# Altium PCB OctopusPB_r0101.PcbDoc (part 4 of 11) (continued)
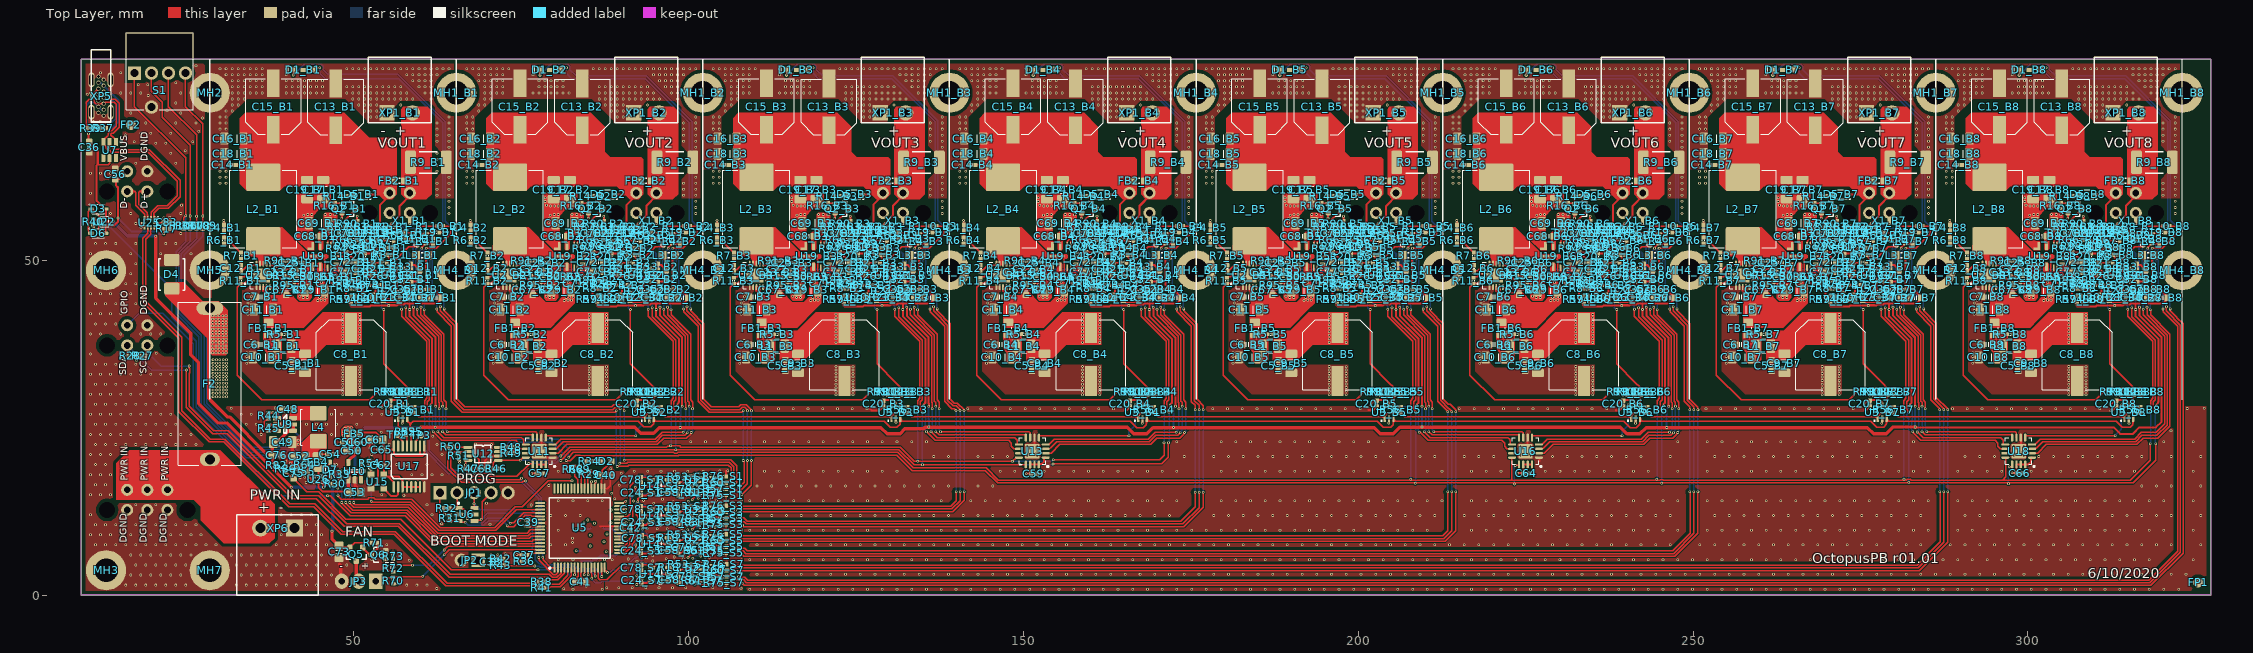
[diagram p0: Top Layer view]
## Nets (pads, with @x,y where several pads share a name; then routed paths per layer and width w, separated by ;. In a path a pad name is that pad's centre, name@x,y a point inside that pad or via, vN(x,y) a via of type N, cw(c..) or ccw(c..) an arc to the next point about the centre after c; other vN are vias at no path point) (continued)
  Top Layer w0.5: C53.1@49.165,15.365 49.165,17.185 U10.1@49.18,17.2 49.23,17.25 49.23,18.03 49.5,18.3 v1(50.1,18.3) 50.7,18.3 51.03,17.97 51.03,17.25 U10.3@51.08,17.2 ; v1(59.9,25) 59.95,25.05 v1(62.175,25.05) 91.931,25.05 92.831,24.15 94.75,24.15 95.6,25 v1@98.75,25 ; v1@98.775,25 128.721,25 129.656,24.065 131.575,24.065 132.289,24.85 135.088,24.85 135.288,25.05 165.496,25.05 166.481,24.065 168.4,24.065 169.335,25 v1@172.4,25 ; v1@172.425,25 202.371,25 203.306,24.065 205.225,24.065 206.135,24.975 206.15,24.975 206.225,25.05 239.146,25.05 240.131,24.065 242.05,24.065 242.985,25 v1@246.05,25 ; v1@246.075,25 276.021,25 276.956,24.065 278.875,24.065 279.91,25.1 v1(283.175,25.1) v1@283.25,25.025
  Bottom Layer w0.3: v1@58.825,43.1 58.825,48.439 58.827,48.441 58.827,52.18 v1@59.272,52.625 ; v1(62.175,25.05) 62.206,25.081 62.206,26.294 ; 62.2,26.3 62.2,28.028 62.206,28.034 62.206,28.156 v1(62.225,28.175) ; v1@95.65,43.1 95.65,48.439 95.652,48.441 95.652,52.18 v1@96.097,52.625 ; v1(98.75,25.025) 98.75,27.848 99.05,28.148 v1(99.05,28.175) ; v1@132.475,43.1 132.475,48.439 132.477,48.441 132.477,52.18 v1@132.922,52.625 ; 135.85,26.3 v1@135.85,28.028 ; v1(135.856,25.081) 135.856,26.294 ; v1@169.3,43.1 169.3,48.439 169.302,48.441 169.302,52.18 v1@169.747,52.625 ; v1(172.4,25.025) 172.4,27.848 172.7,28.148 v1(172.7,28.175) ; v1@206.125,43.1 206.125,48.439 206.127,48.441 206.127,52.18 v1@206.572,52.625 ; 209.5,26.3 v1@209.5,28.028 ; v1@209.506,25.081 209.506,26.294 ; v1@242.95,43.1 242.95,48.439 242.952,48.441 242.952,52.18 v1@243.397,52.625 ; v1(246.05,25.025) 246.05,27.848 246.35,28.148 v1(246.35,28.175) ; v1@279.775,43.1 279.775,48.439 279.777,48.441 279.777,52.18 v1@280.222,52.625 ; 283.15,26.3 v1@283.15,28.028 ; v1@283.156,25.081 283.156,26.294 ; v1@316.6,43.1 316.6,48.439 316.602,48.441 316.602,52.18 v1@317.047,52.625
  Bottom Layer w0.5: v1(50.1,18.3) 50.1,18.375 50.175,18.45 50.175,23.55 51.625,25 v1(59.9,25)
  other v1: 209.525,25.1 58.9,42.975 95.725,42.975 132.55,42.975 169.375,42.975 206.2,42.975 243.025,42.975 279.85,42.975 316.675,42.975
5V_BUCK: C55.1 C73.1 D7.2 FB4.2 Q5.2 R64.2 R71.1 U26.B1 U26.C2 | length 26.4
  Top Layer w0.2: Q5.2@49.375,7.05 49.375,7.1 50.1,7.825 52.595,7.825 R71.1@52.62,7.8
  Top Layer w0.3: R64.2@43.13,19.425 43.123,19.418 43.123,18.433 C55.1@43.115,18.425 43.225,18.315 43.225,17.7 43.875,17.05 ; R64.2@43.265,19.25 44.275,19.25 FB4.2@44.575,18.95 ; v1@43.65,16.95 43.75,17.05 43.875,17.05 ; U26.C2@44.2,17.05 43.875,17.05 ; U26.B1@44.7,17.55 44.7,18.825 FB4.2@44.575,18.95 ; D7.2@46.45,19.825 46.45,19.675 45.75,18.975 44.6,18.975 FB4.2@44.575,18.95
  Top Layer w0.5: v1(46.725,9.525) 46.725,8.375 47.7,7.4 C73.1@47.8,7.4 48.125,7.075 49.025,7.075 49.05,7.05 Q5.2@49.375,7.05
  Bottom Layer w0.5: v1(43.65,16.875) 45.775,16.875 46.85,15.8 46.85,9.65 v1(46.725,9.525)
15-26VIN: F2.1 XP6.2 XP7.1 XP7.2 XP7.3
15-26VIN_F: C5_B1.1 C5_B2.1 C5_B3.1 C5_B4.1 C5_B5.1 C5_B6.1 C5_B7.1 C5_B8.1 C8_B1.1 C8_B2.1 C8_B3.1 C8_B4.1 C8_B5.1 C8_B6.1 C8_B7.1 C8_B8.1 C9_B1.1 C9_B2.1 C9_B3.1 C9_B4.1 C9_B5.1 C9_B6.1 C9_B7.1 C9_B8.1 C49.1 C76.1 D4.1 F2.2 L1_B1.1 L1_B2.1 L1_B3.1 L1_B4.1 L1_B5.1 L1_B6.1 L1_B7.1 L1_B8.1 R5_B1.1 R5_B2.1 R5_B3.1 R5_B4.1 R5_B5.1 R5_B6.1 R5_B7.1 R5_B8.1 R82.1 U9.4 U9.5 | length 45.7
  Top Layer w0.2: 40.05,38.425 40.05,38.97 R5_B1.1@40.055,38.975 40.925,38.975 ; 76.875,38.425 76.875,38.97 R5_B2.1@76.88,38.975 77.75,38.975 ; 113.7,38.425 113.7,38.97 R5_B3.1@113.705,38.975 114.575,38.975 ; 150.525,38.425 150.525,38.97 R5_B4.1@150.53,38.975 151.4,38.975 ; 187.35,38.425 187.35,38.97 R5_B5.1@187.355,38.975 188.225,38.975 ; 224.175,38.425 224.175,38.97 R5_B6.1@224.18,38.975 225.05,38.975 ; 261,38.425 261,38.97 R5_B7.1@261.005,38.975 261.875,38.975 ; 297.825,38.425 297.825,38.97 R5_B8.1@297.83,38.975 298.7,38.975
  Top Layer w0.5: F2.2@28.475,42.825 F2.2@28.5,42.85 28.3,42.65 28.3,29.381 28.706,28.975 31.09,26.59 31.435,26.59 36.925,21.1 C76.1@37.5,21.1 ; R82.1@38.178,19.672 38.207,19.7 38.207,19.75 37.9,20.056 37.9,20.675 C76.1@37.7,20.875 37.825,21 37.825,22.7 C49.1@37.95,22.825 37.95,22.85 38.225,23.125 38.875,23.125 40.275,24.525 U9.4@40.925,24.525 U9.5@40.925,25.475
  other v1: 28.9,36.2 29.4,36.2 29.9,36.2 30.4,36.2 30.9,36.2 28.9,36.7 29.4,36.7 29.9,36.7 30.4,36.7 30.9,36.7 28.9,37.2 29.4,37.2 29.9,37.2 30.4,37.2 30.9,37.2 28.9,37.7 29.4,37.7 29.9,37.7 30.4,37.7 30.9,37.7 48.35,37.725 50.9,37.725 85.175,37.725 87.725,37.725 122,37.725 124.55,37.725 158.825,37.725 161.375,37.725 195.65,37.725 198.2,37.725 232.475,37.725 235.025,37.725 269.3,37.725 271.85,37.725 306.125,37.725 308.675,37.725 28.9,38.2 29.4,38.2 29.9,38.2 30.4,38.2 30.9,38.2 48.35,38.25 50.9,38.25 85.175,38.25 87.725,38.25 122,38.25 124.55,38.25 158.825,38.25 161.375,38.25 195.65,38.25 198.2,38.25 232.475,38.25 235.025,38.25 269.3,38.25 271.85,38.25 306.125,38.25 308.675,38.25 28.9,38.7 29.4,38.7 29.9,38.7 30.4,38.7 30.9,38.7 48.35,38.775 85.175,38.775 122,38.775 158.825,38.775 195.65,38.775 232.475,38.775 269.3,38.775 306.125,38.775 50.9,38.8 87.725,38.8 124.55,38.8 161.375,38.8 198.2,38.8 235.025,38.8 271.85,38.8 308.675,38.8 28.9,39.2 29.4,39.2 29.9,39.2 30.4,39.2 30.9,39.2 48.35,39.3 85.175,39.3 122,39.3 158.825,39.3 195.65,39.3 232.475,39.3 269.3,39.3 306.125,39.3 50.9,39.325 87.725,39.325 124.55,39.325 161.375,39.325 198.2,39.325 235.025,39.325 271.85,39.325 308.675,39.325 28.9,39.7 29.4,39.7 29.9,39.7 30.4,39.7 30.9,39.7 48.35,39.825 85.175,39.825 122,39.825 158.825,39.825 195.65,39.825 232.475,39.825 269.3,39.825 306.125,39.825 50.9,39.85 87.725,39.85 124.55,39.85 161.375,39.85 198.2,39.85 235.025,39.85 271.85,39.85 308.675,39.85 28.9,40.2 29.4,40.2 29.9,40.2 30.4,40.2 30.9,40.2 48.35,40.35 85.175,40.35 122,40.35 158.825,40.35 195.65,40.35 232.475,40.35 269.3,40.35 306.125,40.35 50.9,40.375 87.725,40.375 124.55,40.375 161.375,40.375 198.2,40.375 235.025,40.375 271.85,40.375 308.675,40.375 28.9,40.7 29.4,40.7 29.9,40.7 30.4,40.7 30.9,40.7 48.35,40.875 50.9,40.875 85.175,40.875 87.725,40.875 122,40.875 124.55,40.875 158.825,40.875 161.375,40.875 195.65,40.875 198.2,40.875 232.475,40.875 235.025,40.875 269.3,40.875 271.85,40.875 306.125,40.875 308.675,40.875 28.9,41.2 29.4,41.2 29.9,41.2 30.4,41.2 30.9,41.2 48.35,41.4 50.9,41.4 85.175,41.4 87.725,41.4 122,41.4 124.55,41.4 158.825,41.4 161.375,41.4 195.65,41.4 198.2,41.4 232.475,41.4 235.025,41.4 269.3,41.4 271.85,41.4 306.125,41.4 308.675,41.4 28.9,41.7 29.4,41.7 29.9,41.7 30.4,41.7 30.9,41.7 50.9,41.9 87.725,41.9 124.55,41.9 161.375,41.9 198.2,41.9 235.025,41.9 271.85,41.9 308.675,41.9 48.35,41.925 85.175,41.925 122,41.925 158.825,41.925 195.65,41.925 232.475,41.925 269.3,41.925 306.125,41.925
AGND: C1.2 C24_S1.1 C24_S2.1 C24_S3.1 C24_S4.1 C24_S5.1 C24_S6.1 C24_S7.1 C24_S8.1 C43.2 C44.2 C45.2 C46.2 C47.2 C78_S1.2 C78_S2.2 C78_S3.2 C78_S4.2 C78_S5.2 C78_S6.2 C78_S7.2 C78_S8.2 C79_S1.2 C79_S2.2 C79_S3.2 C79_S4.2 C79_S5.2 C79_S6.2 C79_S7.2 C79_S8.2 R75_S1.1 R75_S2.1 R75_S3.1 R75_S4.1 R75_S5.1 R75_S6.1 R75_S7.1 R75_S8.1 R76_S1.1 R76_S2.1 R76_S3.1 R76_S4.1 R76_S5.1 R76_S6.1 R76_S7.1 R76_S8.1 U5.20 U5.21 U8.3 U14_S1.2 U14_S2.2 U14_S3.2 U14_S4.2 U14_S5.2 U14_S6.2 U14_S7.2 U14_S8.2 U21_S1.2 U21_S2.2 U21_S3.2 U21_S4.2 U21_S5.2 U21_S6.2 U21_S7.2 U21_S8.2 X3.1 | length 55.4
  Top Layer w0.3: U5.20@89.616,7.759 90.216,7.759 90.35,7.893 90.35,8.125 90.216,8.259 U5.21@89.616,8.259 ; C78_S3.2@92.888,12.35 92.888,11.851 ; C78_S1.2@92.888,16.745 92.888,16.246 ; C24_S3.1@92.9,11.34 92.888,11.353 92.888,11.851 ; C24_S1.1@92.9,15.735 92.888,15.748 92.888,16.246 ; C24_S5.1@92.95,7.065 92.937,7.077 92.937,7.576 93.161,7.8 v1(96.075,7.8) 96.31,7.565 U14_S5.2@97.025,7.565 ; C78_S7.2@92.967,3.66 92.967,3.161 ; C24_S7.1@92.98,2.65 92.967,2.662 92.967,3.161 ; 95.725,10.325 95.725,10.375 95.675,10.425 95.675,11.84 ; U14_S3.2@96.975,11.84 95.675,11.84 ; U14_S1.2@96.975,16.235 92.899,16.235 92.888,16.246 ; U14_S7.2@97.055,3.15 96.983,3.078 96.055,3.078 95.777,2.8 95.45,3.127 95.45,3.15 94.762,3.15 94.751,3.161 92.967,3.161 ; v1(102.175,18.475) 102.175,18.448 102.619,18.004 102.619,17.385 103.044,16.96 103.513,16.96 U21_S1.2@103.538,16.935 ; U21_S3.2@103.522,12.525 U21_S3.2@103.538,12.54 ; R75_S3.1@105.605,10.54 R75_S3.1@105.655,10.49 ; R76_S3.1@105.605,13.315 R76_S3.1@105.618,13.328 ; R76_S1.1@105.605,17.71 105.605,18.53 v1@105.625,18.55 ; R75_S5.1@105.655,6.265 R75_S5.1@105.705,6.215 ; R76_S5.1@105.655,9.04 R76_S5.1@105.667,9.052 ; R75_S7.1@105.685,1.85 R75_S7.1@105.735,1.8 ; R76_S7.1@105.685,4.625 R76_S7.1@105.697,4.637 ; 92.888,11.851 92.899,11.84 95.675,11.84
  Bottom Layer w0.2: 102.525,9.9 102.525,10.671 102.99,11.135 103.063,11.135 103.238,11.31 U21_S4.2@103.563,11.31 U21_S4.2@103.488,11.235
  Bottom Layer w0.3: 89.275,7.25 89.335,7.25 89.95,7.865 C47.2@89.95,7.885 90.055,7.99 90.657,7.99 90.917,8.25 91.215,8.25 C44.2@91.225,8.26 ; C78_S2.2@92.835,15.913 92.835,16.423 ; C24_S2.1@92.848,16.923 92.835,16.91 92.835,16.423 ; C78_S4.2@92.907,11.5 92.907,11.999 ; C24_S4.1@92.92,12.51 92.907,12.498 92.907,11.999 ; C78_S6.2@92.937,7.265 92.937,7.764 ; C24_S6.1@92.95,8.275 92.937,8.262 92.937,7.764 ; C78_S8.2@92.982,2.825 92.982,3.324 ; C24_S8.1@92.995,3.835 92.982,3.822 92.982,3.324 ; 95.637,13.28 95.625,13.269 95.625,12.01 ; 96.12,3.247 95.75,2.877 95.75,2.8 95.226,3.324 92.982,3.324 ; 96.145,3.335 U14_S8.2@97.07,3.335 ; U14_S2.2@96.923,16.423 92.835,16.423 ; U14_S4.2@96.995,12.01 95.625,12.01 ; U14_S6.2@97.025,7.775 96.1,7.775 v1(96.075,7.8) 92.974,7.8 92.937,7.764 ; 102.7,6.725 103.025,7.05 103.567,7.05 U21_S6.2@103.592,7.075 ; R76_S2.1@105.553,14.948 R76_S2.1@105.565,14.935 ; R75_S2.1@105.553,17.723 R75_S2.1@105.603,17.773 ; R76_S4.1@105.625,10.535 R76_S4.1@105.638,10.523 ; R75_S4.1@105.625,13.31 R75_S4.1@105.675,13.36 ; R76_S6.1@105.655,6.3 R76_S6.1@105.667,6.287 ; R75_S6.1@105.655,9.075 R75_S6.1@105.705,9.125 ; R76_S8.1@105.7,1.86 R76_S8.1@105.712,1.847 ; R75_S8.1@105.7,4.635 R75_S8.1@105.75,4.685 ; 92.907,11.999 92.919,12.01 95.625,12.01
  other v1: 107.825,1 87.775,1.075 89.575,1.1 91.575,1.1 93.575,1.1 95.575,1.1 97.575,1.1 99.575,1.1 103.575,1.1 105.575,1.1 95.75,2.75 107.925,3.15 92.275,5.025 94.65,5.075 107.9,5.225 87.425,5.275 88.575,5.275 91,5.375 96.65,5.4 105.675,5.475 99.2,5.5 93.7,5.55 103.1,5.625 97.825,5.675 94.625,5.85 87.675,6.45 85.325,7.325 87.35,7.95 90.279,8.025 85.325,8.925 87.8,9.125 107.85,9.7 98.975,9.875 93.8,9.9 95.3,9.9 96.8,9.9 102.83,9.925 85.925,10.7 84.375,10.75 88.4,10.8 84.925,11.2 93.555,11.551 88.425,12.7 94.775,13.7 102.95,13.775 97.675,13.925 91.75,14.05 104.15,14.1 105.625,14.1 93.25,14.125 107.875,14.2 96.1,14.325 88.95,14.375 103.05,14.375 88.5,15.2 95.9,16.325 89.625,16.4 107.775,17.225 90.625,17.65 91.875,18.475 93.875,18.475 95.875,18.475 97.875,18.475 99.875,18.475 104.625,18.525 105.825,18.55
BOOT_B1: C12_B1.2 U2_B1.13 | length 2.9
  Top Layer w0.2: C12_B1.2@33.125,48.36 33.125,48.38 33.335,48.59 33.503,48.59 34.18,49.267 35.437,49.267 35.474,49.304 U2_B1.13@35.474,49.477
BOOT_B2: C12_B2.2 U2_B2.13 | length 2.9
  Top Layer w0.2: C12_B2.2@69.95,48.36 69.95,48.38 70.16,48.59 70.328,48.59 71.005,49.267 72.262,49.267 72.299,49.304 U2_B2.13@72.299,49.477
BOOT_B3: C12_B3.2 U2_B3.13 | length 2.9
  Top Layer w0.2: C12_B3.2@106.775,48.36 106.775,48.38 106.985,48.59 107.153,48.59 107.83,49.267 109.087,49.267 109.124,49.304 U2_B3.13@109.124,49.477
BOOT_B4: C12_B4.2 U2_B4.13 | length 2.9
  Top Layer w0.2: C12_B4.2@143.6,48.36 143.6,48.38 143.81,48.59 143.978,48.59 144.655,49.267 145.912,49.267 145.949,49.304 U2_B4.13@145.949,49.477
BOOT_B5: C12_B5.2 U2_B5.13 | length 2.9
  Top Layer w0.2: C12_B5.2@180.425,48.36 180.425,48.38 180.635,48.59 180.803,48.59 181.48,49.267 182.737,49.267 182.774,49.304 U2_B5.13@182.774,49.477
BOOT_B6: C12_B6.2 U2_B6.13 | length 2.9
  Top Layer w0.2: C12_B6.2@217.25,48.36 217.31,48.42 217.86,48.42 218.707,49.267 219.562,49.267 219.599,49.304 U2_B6.13@219.599,49.477
BOOT_B7: C12_B7.2 U2_B7.13 | length 2.9
  Top Layer w0.2: C12_B7.2@254.075,48.36 254.075,48.38 254.285,48.59 254.453,48.59 255.13,49.267 256.387,49.267 256.424,49.304 U2_B7.13@256.424,49.477
BOOT_B8: C12_B8.2 U2_B8.13 | length 2.9
  Top Layer w0.2: C12_B8.2@290.9,48.36 290.9,48.38 291.11,48.59 291.278,48.59 291.955,49.267 293.212,49.267 293.249,49.304 U2_B8.13@293.249,49.477
BUCK_CLK_B1: R10_B1.1 R56_B1.2 R102_B1.1 U3_B1.4 | length 3.7
  Top Layer w0.2: R10_B1.1@57.1,29.87 R102_B1.1@58.05,29.87 58.001,29.821 58.001,28.293 U3_B1.4@57.952,28.244 58.891,28.244 R56_B1.2@59.025,28.11
BUCK_CLK_B2: R10_B2.1 R56_B2.2 R102_B2.1 U3_B2.4 | length 3.8
  Top Layer w0.2: R10_B2.1@93.925,29.87 R102_B2.1@94.875,29.87 94.777,29.772 U3_B2.4@94.777,28.244 94.777,28.185 94.852,28.11 R56_B2.2@95.85,28.11
BUCK_CLK_B3: R10_B3.1 R56_B3.2 R102_B3.1 U3_B3.4 | length 3.5
  Top Layer w0.2: R10_B3.1@130.75,29.87 R102_B3.1@131.7,29.87 ; U3_B3.4@131.627,28.177 R56_B3.2@132.608,28.177 ; U3_B3.4@131.627,28.269 R102_B3.1@131.627,29.797
BUCK_CLK_B4: R10_B4.1 R56_B4.2 R102_B4.1 U3_B4.4 | length 3.5
  Top Layer w0.2: R10_B4.1@167.575,29.87 R102_B4.1@168.525,29.87 ; U3_B4.4@168.452,28.177 R56_B4.2@169.433,28.177 ; U3_B4.4@168.452,28.269 R102_B4.1@168.452,29.797
BUCK_CLK_B5: R10_B5.1 R56_B5.2 R102_B5.1 U3_B5.4 | length 3.5
  Top Layer w0.2: R10_B5.1@204.4,29.87 R102_B5.1@205.35,29.87 ; U3_B5.4@205.277,28.177 R56_B5.2@206.258,28.177 ; U3_B5.4@205.277,28.269 R102_B5.1@205.277,29.797
BUCK_CLK_B6: R10_B6.1 R56_B6.2 R102_B6.1 U3_B6.4 | length 3.5
  Top Layer w0.2: R10_B6.1@241.225,29.87 R102_B6.1@242.175,29.87 ; U3_B6.4@242.102,28.177 R56_B6.2@243.083,28.177 ; U3_B6.4@242.102,28.269 R102_B6.1@242.102,29.797
BUCK_CLK_B7: R10_B7.1 R56_B7.2 R102_B7.1 U3_B7.4 | length 3.8
  Top Layer w0.2: R10_B7.1@278.05,29.87 R102_B7.1@279,29.87 ; U3_B7.4@278.927,28.177 R56_B7.2@279.908,28.177 ; U3_B7.4@278.927,28.269 R102_B7.1@278.927,29.797
  Top Layer w0.3: U3_B7.4@278.927,28.177 278.902,28.202 U3_B7.4@278.902,28.244 U3_B7.4@278.927,28.269 ; R102_B7.1@278.927,29.797 R102_B7.1@279,29.87 ; R56_B7.2@279.908,28.177 R56_B7.2@279.975,28.11
BUCK_CLK_B8: R10_B8.1 R56_B8.2 R102_B8.1 U3_B8.4 | length 3.8
  Top Layer w0.2: R10_B8.1@314.875,29.87 R102_B8.1@315.825,29.87 315.776,29.821 315.776,28.293 U3_B8.4@315.727,28.244 315.727,28.185 315.802,28.11 R56_B8.2@316.8,28.11
BUCK_EN1: Q1_B1.1 R4_B1.1 U11.8 | length 45
  Top Layer w0.2: v1(60.025,42.975) 60.025,41.836 63.05,38.811 63.05,28.959 63.25,28.759 v1(63.25,28.2) ; v1(60.125,51.8) 60.125,51.909 60.791,52.575 Q1_B1.1@60.8,52.575 ; Q1_B1.1@60.902,52.473 R4_B1.1@61.802,52.473 ; v1(63.25,24.4) 63.25,24.393 63.743,23.9 76.631,23.9 76.7,23.831 U11.8@76.7,23.5
  Bottom Layer w0.2: v1(60.025,42.975) 60.025,43.191 59.941,43.275 59.941,43.969 59.677,44.232 59.677,51.298 60.125,51.746 v1(60.125,51.8) ; v1(63.25,24.4) v1(63.25,28.2)
BUCK_EN2: Q1_B2.1 R4_B2.1 U11.3 | length 52.4
  Top Layer w0.2: U11.3@79.675,21.825 80.141,21.825 80.241,21.925 80.325,21.925 81.3,22.9 95.16,22.9 96.085,23.825 99.382,23.825 99.78,24.223 v1(99.78,24.251) ; v1(96.85,42.975) 96.85,41.836 99.875,38.811 99.875,28.959 100.075,28.759 v1(100.075,28.2) ; v1(96.95,51.8) 96.95,51.909 97.616,52.575 Q1_B2.1@97.625,52.575 ; Q1_B2.1@97.728,52.473 R4_B2.1@98.628,52.473
  Bottom Layer w0.2: v1(96.85,42.975) 96.85,43.191 96.766,43.275 96.766,43.969 96.502,44.232 96.502,51.298 96.95,51.746 v1(96.95,51.8) ; v1(99.78,24.251) 99.78,24.305 99.9,24.425 99.9,24.482 100.075,24.657 v1(100.075,28.2)
BUCK_EN3: Q1_B3.1 R4_B3.1 U13.8 | length 45.5
  Top Layer w0.2: 133.675,42.075 v1(133.675,42.975) 133.675,41.836 136.7,38.811 136.7,28.959 136.9,28.759 v1(136.9,28.2) ; v1(133.775,51.8) 133.775,51.909 134.441,52.575 Q1_B3.1@134.45,52.575 ; Q1_B3.1@134.553,52.473 R4_B3.1@135.453,52.473 ; v1@136.9,24.393 137.393,23.9 U13.8@150.281,23.9
  Bottom Layer w0.2: v1(133.675,42.975) 133.675,43.191 133.591,43.275 133.591,43.969 133.327,44.232 133.327,51.298 133.775,51.746 v1(133.775,51.8) ; v1(136.9,24.4) v1(136.9,28.2)
BUCK_EN4: Q1_B4.1 R4_B4.1 U13.3 | length 52.7
  Top Layer w0.2: U13.3@153.791,21.825 U13.3@153.891,21.925 ; 153.975,21.925 154.95,22.9 168.81,22.9 169.735,23.825 173.032,23.825 173.43,24.223 v1(173.43,24.251) ; 170.5,42.075 v1(170.5,42.975) 170.5,41.836 173.525,38.811 173.525,28.959 173.725,28.759 v1(173.725,28.2) ; v1(170.6,51.8) 170.6,51.909 171.266,52.575 Q1_B4.1@171.275,52.575 ; Q1_B4.1@171.378,52.473 R4_B4.1@172.278,52.473
  Bottom Layer w0.2: v1(170.5,42.975) 170.5,43.191 170.416,43.275 170.416,43.969 170.152,44.232 170.152,51.298 170.6,51.746 v1(170.6,51.8) ; v1@173.43,24.305 173.55,24.425 ; 173.55,24.482 173.725,24.657 v1(173.725,28.2)
BUCK_EN5: Q1_B5.1 R4_B5.1 U16.8 | length 45.5
  Top Layer w0.2: 207.325,42.075 v1(207.325,42.975) 207.325,41.836 210.35,38.811 210.35,28.959 210.55,28.759 v1(210.55,28.2) ; v1(207.425,51.8) 207.425,51.909 208.091,52.575 Q1_B5.1@208.1,52.575 ; Q1_B5.1@208.203,52.473 R4_B5.1@209.103,52.473 ; v1@210.55,24.393 211.043,23.9 U16.8@223.931,23.9
  Bottom Layer w0.2: v1(207.325,42.975) 207.325,43.191 207.241,43.275 207.241,43.969 206.977,44.232 206.977,51.298 207.425,51.746 v1(207.425,51.8) ; v1(210.55,24.4) v1(210.55,28.2)
BUCK_EN6: Q1_B6.1 R4_B6.1 U16.3 | length 52.7
  Top Layer w0.2: U16.3@227.441,21.825 U16.3@227.541,21.925 ; 227.625,21.925 228.6,22.9 242.46,22.9 243.385,23.825 246.682,23.825 247.08,24.223 v1(247.08,24.251) ; 244.15,42.075 v1(244.15,42.975) 244.15,41.836 247.175,38.811 247.175,28.959 247.375,28.759 v1(247.375,28.2) ; v1(244.25,51.8) 244.25,51.909 244.916,52.575 Q1_B6.1@244.925,52.575 ; Q1_B6.1@245.028,52.473 R4_B6.1@245.928,52.473
  Bottom Layer w0.2: v1(244.15,42.975) 244.15,43.191 244.066,43.275 244.066,43.969 243.802,44.232 243.802,51.298 244.25,51.746 v1(244.25,51.8) ; v1@247.08,24.305 247.2,24.425 ; 247.2,24.482 247.375,24.657 v1(247.375,28.2)
BUCK_EN7: Q1_B7.1 R4_B7.1 U18.8 | length 45.5
  Top Layer w0.2: 280.975,42.075 v1(280.975,42.975) 280.975,41.836 284,38.811 284,28.959 284.2,28.759 v1(284.2,28.2) ; v1(281.075,51.8) 281.075,51.909 281.741,52.575 Q1_B7.1@281.75,52.575 ; Q1_B7.1@281.853,52.473 R4_B7.1@282.753,52.473 ; v1@284.2,24.393 284.693,23.9 U18.8@297.581,23.9
  Bottom Layer w0.2: v1(280.975,42.975) 280.975,43.191 280.891,43.275 280.891,43.969 280.627,44.232 280.627,51.298 281.075,51.746 v1(281.075,51.8) ; v1(284.2,24.4) v1(284.2,28.2)
BUCK_EN8: Q1_B8.1 R4_B8.1 U18.3 | length 51.1
  Top Layer w0.2: U18.3@301.091,21.825 U18.3@301.191,21.925 ; 301.275,21.925 302.25,22.9 316.11,22.9 317.035,23.825 319.269,23.825 320.825,25.382 320.825,28.959 320.825,29.125 320.825,38.811 317.8,41.836 v1(317.8,42.975) ; v1(317.9,51.8) 317.9,51.909 318.566,52.575 Q1_B8.1@318.575,52.575 ; Q1_B8.1@318.678,52.473 R4_B8.1@319.578,52.473
  Bottom Layer w0.2: v1(317.8,42.975) 317.8,43.191 317.716,43.275 317.716,43.969 317.452,44.232 317.452,51.298 317.9,51.746 v1(317.9,51.8)
BUCK_EN_B1_P: C70_B1.2 Q2_B1.3 R13_B1.1 R62_B1.2 R87_B1.1 R110_B1.2 U19_B1.7 | length 23.9
  Top Layer w0.2: U19_B1.7@46.075,52.275 46.1,52.3 46.1,52.844 46.678,53.422 46.675,53.425 v1@48.45,53.425 ; v1@48.525,53.5 48.705,53.68 R13_B1.1@48.705,54.05 ; C70_B1.2@49.685,54.025 49.672,54.037 48.717,54.037 R13_B1.1@48.705,54.05 ; Q2_B1.3@50.375,57.7 50.366,57.7 50.121,57.456 50.121,57.446 49.475,56.8 48.695,56.02 R87_B1.1@48.695,55 48.7,54.995 48.7,54.055 R13_B1.1@48.705,54.05 ; v1(57.088,54.388) 57.142,54.388 57.189,54.34 57.365,54.34 R62_B1.2@57.55,54.155 ; R62_B1.2@57.577,54.128 58.803,54.128 59.775,55.1 R110_B1.2@62.445,55.1
  Bottom Layer w0.2: v1(48.6,53.425) 48.725,53.425 49.675,54.375 57.075,54.375 v1(57.088,54.388)
BUCK_EN_B2_P: C70_B2.2 Q2_B2.3 R13_B2.1 R62_B2.2 R87_B2.1 R110_B2.2 U19_B2.7 | length 23.9
  Top Layer w0.2: U19_B2.7@82.9,52.275 82.925,52.3 82.925,52.844 83.503,53.422 83.5,53.425 v1@85.275,53.425 ; v1@85.35,53.5 85.53,53.68 R13_B2.1@85.53,54.05 ; C70_B2.2@86.51,54.025 86.497,54.037 85.542,54.037 R13_B2.1@85.53,54.05 ; Q2_B2.3@87.2,57.7 87.191,57.7 86.946,57.456 86.946,57.446 86.3,56.8 85.52,56.02 R87_B2.1@85.52,55 85.525,54.995 85.525,54.055 R13_B2.1@85.53,54.05 ; v1(93.913,54.388) 93.967,54.388 94.014,54.34 94.19,54.34 R62_B2.2@94.375,54.155 ; R62_B2.2@94.403,54.128 95.628,54.128 96.6,55.1 R110_B2.2@99.27,55.1
  Bottom Layer w0.2: v1(85.425,53.425) 85.55,53.425 86.5,54.375 93.9,54.375 v1(93.913,54.388)
BUCK_EN_B3_P: C70_B3.2 Q2_B3.3 R13_B3.1 R62_B3.2 R87_B3.1 R110_B3.2 U19_B3.7 | length 23.9
  Top Layer w0.2: U19_B3.7@119.725,52.275 119.75,52.3 119.75,52.844 120.328,53.422 120.325,53.425 v1@122.1,53.425 ; v1@122.175,53.5 122.355,53.68 R13_B3.1@122.355,54.05 ; C70_B3.2@123.335,54.025 123.322,54.037 122.367,54.037 R13_B3.1@122.355,54.05 ; Q2_B3.3@124.025,57.7 124.016,57.7 123.771,57.456 123.771,57.446 123.125,56.8 122.345,56.02 R87_B3.1@122.345,55 122.35,54.995 122.35,54.055 R13_B3.1@122.355,54.05 ; v1(130.738,54.388) 130.792,54.388 130.839,54.34 131.015,54.34 R62_B3.2@131.2,54.155 ; R62_B3.2@131.228,54.128 132.453,54.128 133.425,55.1 R110_B3.2@136.095,55.1
  Bottom Layer w0.2: v1(122.25,53.425) 122.375,53.425 123.325,54.375 130.725,54.375 v1(130.738,54.388)
BUCK_EN_B4_P: C70_B4.2 Q2_B4.3 R13_B4.1 R62_B4.2 R87_B4.1 R110_B4.2 U19_B4.7 | length 23.9
  Top Layer w0.2: U19_B4.7@156.55,52.275 156.575,52.3 156.575,52.844 157.153,53.422 157.15,53.425 v1@158.925,53.425 ; v1@159,53.5 159.18,53.68 R13_B4.1@159.18,54.05 ; C70_B4.2@160.16,54.025 160.147,54.037 159.192,54.037 R13_B4.1@159.18,54.05 ; Q2_B4.3@160.85,57.7 160.841,57.7 160.596,57.456 160.596,57.446 159.95,56.8 159.17,56.02 R87_B4.1@159.17,55 159.175,54.995 159.175,54.055 R13_B4.1@159.18,54.05 ; v1(167.563,54.388) 167.617,54.388 167.664,54.34 167.84,54.34 R62_B4.2@168.025,54.155 ; R62_B4.2@168.053,54.128 169.278,54.128 170.25,55.1 R110_B4.2@172.92,55.1
  Bottom Layer w0.2: v1(159.075,53.425) 159.2,53.425 160.15,54.375 167.55,54.375 v1(167.563,54.388)
BUCK_EN_B5_P: C70_B5.2 Q2_B5.3 R13_B5.1 R62_B5.2 R87_B5.1 R110_B5.2 U19_B5.7 | length 23.9
  Top Layer w0.2: U19_B5.7@193.375,52.275 193.4,52.3 193.4,52.844 193.978,53.422 193.975,53.425 v1@195.75,53.425 ; v1@195.825,53.5 196.005,53.68 R13_B5.1@196.005,54.05 ; C70_B5.2@196.985,54.025 196.972,54.037 196.017,54.037 R13_B5.1@196.005,54.05 ; Q2_B5.3@197.675,57.7 197.666,57.7 197.421,57.456 197.421,57.446 196.775,56.8 195.995,56.02 R87_B5.1@195.995,55 196,54.995 196,54.055 R13_B5.1@196.005,54.05 ; v1(204.388,54.388) 204.442,54.388 204.489,54.34 204.665,54.34 R62_B5.2@204.85,54.155 ; R62_B5.2@204.878,54.128 206.103,54.128 207.075,55.1 R110_B5.2@209.745,55.1
  Bottom Layer w0.2: v1(195.9,53.425) 196.025,53.425 196.975,54.375 204.375,54.375 v1(204.388,54.388)
BUCK_EN_B6_P: C70_B6.2 Q2_B6.3 R13_B6.1 R62_B6.2 R87_B6.1 R110_B6.2 U19_B6.7 | length 23.9
  Top Layer w0.2: U19_B6.7@230.2,52.275 230.225,52.3 230.225,52.844 230.803,53.422 230.8,53.425 v1@232.575,53.425 ; v1@232.65,53.5 232.83,53.68 R13_B6.1@232.83,54.05 ; C70_B6.2@233.81,54.025 233.797,54.037 232.842,54.037 R13_B6.1@232.83,54.05 ; Q2_B6.3@234.5,57.7 234.491,57.7 234.246,57.456 234.246,57.446 233.6,56.8 232.82,56.02 R87_B6.1@232.82,55 232.825,54.995 232.825,54.055 R13_B6.1@232.83,54.05 ; v1(241.213,54.388) 241.267,54.388 241.314,54.34 241.49,54.34 R62_B6.2@241.675,54.155 ; R62_B6.2@241.703,54.128 242.928,54.128 243.9,55.1 R110_B6.2@246.57,55.1
  Bottom Layer w0.2: v1(232.725,53.425) 232.85,53.425 233.8,54.375 241.2,54.375 v1(241.213,54.388)